# EAGLE board working (EAGLE 9.6.2), part 4 of 28 (continued)
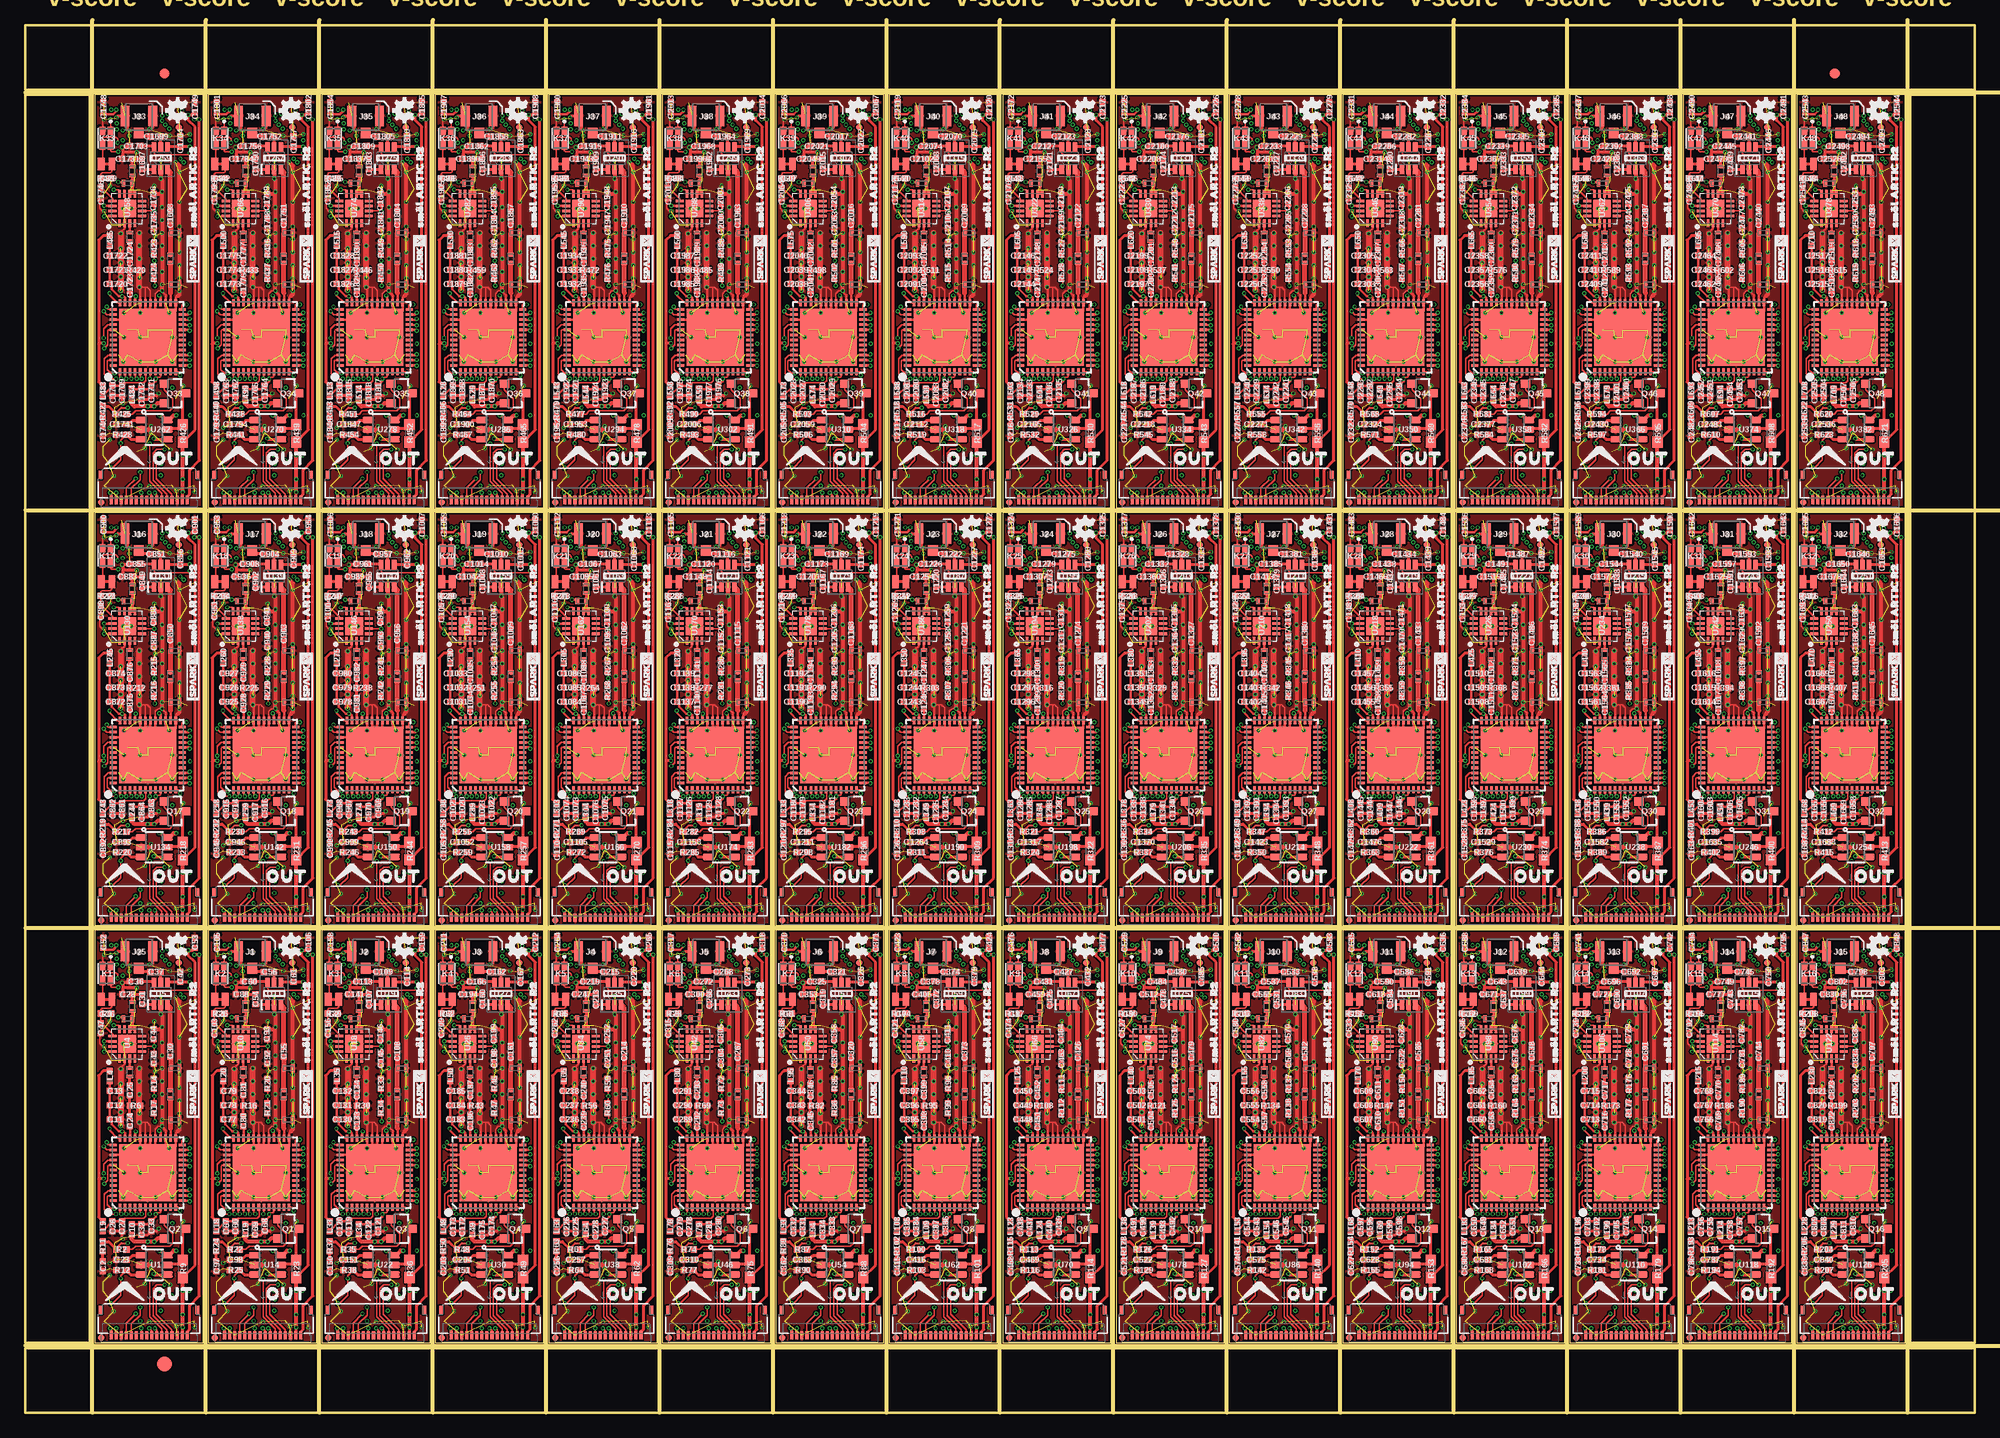
[diagram p0: board, top side]
## Placement (x,y rotation side) (continued)
L6  27nH  [0402_COILCRAFT]  10.1,38.8 0 top
L7  18nH  [0402_COILCRAFT]  10.29,33.53 90 top
L8  12nH  [0402_COILCRAFT]  10.54,40 90 top
L9  30Ω  [0402-TIGHT]  7.62,18.35 90 top
L10  30Ω  [0402-TIGHT]  10.48,18.03 270 top
L11  30nH  [0402_COILCRAFT]  14.73,28.83 180 top
L12  51nH  [0402_COILCRAFT]  14.73,33.91 180 top
L13  30Ω  [0402-TIGHT]  14.41,26.86 0 bottom
L14  30Ω  [0402-TIGHT]  13.08,22.42 270 bottom
L15  30Ω  [0402-TIGHT]  15.49,24.83 270 bottom
L16  30Ω  [0402-TIGHT]  25.59,26.86 0 bottom
L17  30Ω  [0402-TIGHT]  26.67,24.83 270 bottom
L18  30Ω  [0402-TIGHT]  18.8,18.35 90 top
L19  30Ω  [0402-TIGHT]  21.65,18.03 270 top
L20  30Ω  [0402-TIGHT]  19.49,33.15 90 top
L21  30Ω  [0402-TIGHT]  19.81,29.46 90 bottom
L22  30Ω  [0402-TIGHT]  22.23,22.42 270 bottom
L23  18nH  [0402_COILCRAFT]  21.46,33.53 90 top
L24  15nH  [0402_COILCRAFT]  19.68,37.02 270 bottom
L25  27nH  [0402_COILCRAFT]  21.27,38.8 0 top
L26  12nH  [0402_COILCRAFT]  21.72,40 90 top
L27  30nH  [0402_COILCRAFT]  25.91,28.83 180 top
L28  51nH  [0402_COILCRAFT]  25.91,33.91 180 top
L29  30Ω  [0402-TIGHT]  24.26,22.42 270 bottom
L30  30Ω  [0402-TIGHT]  26.42,16.64 0 bottom
L31  30Ω  [0402-TIGHT]  36.77,26.86 0 bottom
L32  30Ω  [0402-TIGHT]  37.85,24.83 270 bottom
L33  30Ω  [0402-TIGHT]  29.97,18.35 90 top
L34  30Ω  [0402-TIGHT]  32.83,18.03 270 top
L35  30Ω  [0402-TIGHT]  30.67,33.15 90 top
L36  30Ω  [0402-TIGHT]  30.99,29.46 90 bottom
L37  30Ω  [0402-TIGHT]  33.4,22.42 270 bottom
L38  18nH  [0402_COILCRAFT]  32.64,33.53 90 top
L39  15nH  [0402_COILCRAFT]  30.86,37.02 270 bottom
L40  27nH  [0402_COILCRAFT]  32.45,38.8 0 top
L41  12nH  [0402_COILCRAFT]  32.89,40 90 top
L42  30nH  [0402_COILCRAFT]  37.08,28.83 180 top
L43  51nH  [0402_COILCRAFT]  37.08,33.91 180 top
L44  30Ω  [0402-TIGHT]  35.43,22.42 270 bottom
L45  30Ω  [0402-TIGHT]  37.59,16.64 0 bottom
L46  30Ω  [0402-TIGHT]  47.94,26.86 0 bottom
L47  30Ω  [0402-TIGHT]  49.02,24.83 270 bottom
L48  30Ω  [0402-TIGHT]  41.15,18.35 90 top
L49  30Ω  [0402-TIGHT]  44.01,18.03 270 top
L50  30Ω  [0402-TIGHT]  41.85,33.15 90 top
L51  30Ω  [0402-TIGHT]  42.16,29.46 90 bottom
L52  30Ω  [0402-TIGHT]  44.58,22.42 270 bottom
L53  18nH  [0402_COILCRAFT]  43.81,33.53 90 top
L54  15nH  [0402_COILCRAFT]  42.04,37.02 270 bottom
L55  27nH  [0402_COILCRAFT]  43.62,38.8 0 top
L56  12nH  [0402_COILCRAFT]  44.07,40 90 top
L57  30nH  [0402_COILCRAFT]  48.26,28.83 180 top
L58  51nH  [0402_COILCRAFT]  48.26,33.91 180 top
L59  30Ω  [0402-TIGHT]  46.61,22.42 270 bottom
L60  30Ω  [0402-TIGHT]  48.77,16.64 0 bottom
L61  30Ω  [0402-TIGHT]  59.12,26.86 0 bottom
L62  30Ω  [0402-TIGHT]  60.2,24.83 270 bottom
L63  30Ω  [0402-TIGHT]  52.32,18.35 90 top
L64  30Ω  [0402-TIGHT]  55.18,18.03 270 top
L65  30Ω  [0402-TIGHT]  53.02,33.15 90 top
L66  30Ω  [0402-TIGHT]  53.34,29.46 90 bottom
L67  30Ω  [0402-TIGHT]  55.75,22.42 270 bottom
L68  18nH  [0402_COILCRAFT]  54.99,33.53 90 top
L69  15nH  [0402_COILCRAFT]  53.21,37.02 270 bottom
L70  27nH  [0402_COILCRAFT]  54.8,38.8 0 top
L71  12nH  [0402_COILCRAFT]  55.24,40 90 top
L72  30nH  [0402_COILCRAFT]  59.44,28.83 180 top
L73  51nH  [0402_COILCRAFT]  59.44,33.91 180 top
L74  30Ω  [0402-TIGHT]  57.78,22.42 270 bottom
L75  30Ω  [0402-TIGHT]  59.94,16.64 0 bottom
L76  30Ω  [0402-TIGHT]  70.29,26.86 0 bottom
L77  30Ω  [0402-TIGHT]  71.37,24.83 270 bottom
L78  30Ω  [0402-TIGHT]  63.5,18.35 90 top
L79  30Ω  [0402-TIGHT]  66.36,18.03 270 top
L80  30Ω  [0402-TIGHT]  64.2,33.15 90 top
L81  30Ω  [0402-TIGHT]  64.52,29.46 90 bottom
L82  30Ω  [0402-TIGHT]  66.93,22.42 270 bottom
L83  18nH  [0402_COILCRAFT]  66.17,33.53 90 top
L84  15nH  [0402_COILCRAFT]  64.39,37.02 270 bottom
L85  27nH  [0402_COILCRAFT]  65.98,38.8 0 top
L86  12nH  [0402_COILCRAFT]  66.42,40 90 top
L87  30nH  [0402_COILCRAFT]  70.61,28.83 180 top
L88  51nH  [0402_COILCRAFT]  70.61,33.91 180 top
L89  30Ω  [0402-TIGHT]  68.96,22.42 270 bottom
L90  30Ω  [0402-TIGHT]  71.12,16.64 0 bottom
L91  30Ω  [0402-TIGHT]  81.47,26.86 0 bottom
L92  30Ω  [0402-TIGHT]  82.55,24.83 270 bottom
L93  30Ω  [0402-TIGHT]  74.68,18.35 90 top
L94  30Ω  [0402-TIGHT]  77.53,18.03 270 top
L95  30Ω  [0402-TIGHT]  75.37,33.15 90 top
L96  30Ω  [0402-TIGHT]  75.69,29.46 90 bottom
L97  30Ω  [0402-TIGHT]  78.11,22.42 270 bottom
L98  18nH  [0402_COILCRAFT]  77.34,33.53 90 top
L99  15nH  [0402_COILCRAFT]  75.56,37.02 270 bottom
L100  27nH  [0402_COILCRAFT]  77.15,38.8 0 top
L101  12nH  [0402_COILCRAFT]  77.6,40 90 top
L102  30nH  [0402_COILCRAFT]  81.79,28.83 180 top
L103  51nH  [0402_COILCRAFT]  81.79,33.91 180 top
L104  30Ω  [0402-TIGHT]  80.14,22.42 270 bottom
L105  30Ω  [0402-TIGHT]  82.3,16.64 0 bottom
L106  30Ω  [0402-TIGHT]  92.65,26.86 0 bottom
L107  30Ω  [0402-TIGHT]  93.73,24.83 270 bottom
L108  30Ω  [0402-TIGHT]  85.85,18.35 90 top
L109  30Ω  [0402-TIGHT]  88.71,18.03 270 top
L110  30Ω  [0402-TIGHT]  86.55,33.15 90 top
L111  30Ω  [0402-TIGHT]  86.87,29.46 90 bottom
L112  30Ω  [0402-TIGHT]  89.28,22.42 270 bottom
L113  18nH  [0402_COILCRAFT]  88.52,33.53 90 top
L114  15nH  [0402_COILCRAFT]  86.74,37.02 270 bottom
L115  27nH  [0402_COILCRAFT]  88.33,38.8 0 top
L116  12nH  [0402_COILCRAFT]  88.77,40 90 top
L117  30nH  [0402_COILCRAFT]  92.96,28.83 180 top
L118  51nH  [0402_COILCRAFT]  92.96,33.91 180 top
L119  30Ω  [0402-TIGHT]  91.31,22.42 270 bottom
L120  30Ω  [0402-TIGHT]  93.47,16.64 0 bottom
L121  30Ω  [0402-TIGHT]  103.82,26.86 0 bottom
L122  30Ω  [0402-TIGHT]  104.9,24.83 270 bottom
L123  30Ω  [0402-TIGHT]  97.03,18.35 90 top
L124  30Ω  [0402-TIGHT]  99.89,18.03 270 top
L125  30Ω  [0402-TIGHT]  97.73,33.15 90 top
L126  30Ω  [0402-TIGHT]  98.04,29.46 90 bottom
L127  30Ω  [0402-TIGHT]  100.46,22.42 270 bottom
L128  18nH  [0402_COILCRAFT]  99.7,33.53 90 top
L129  15nH  [0402_COILCRAFT]  97.92,37.02 270 bottom
L130  27nH  [0402_COILCRAFT]  99.5,38.8 0 top
L131  12nH  [0402_COILCRAFT]  99.95,40 90 top
L132  30nH  [0402_COILCRAFT]  104.14,28.83 180 top
L133  51nH  [0402_COILCRAFT]  104.14,33.91 180 top
L134  30Ω  [0402-TIGHT]  102.49,22.42 270 bottom
L135  30Ω  [0402-TIGHT]  104.65,16.64 0 bottom
L136  30Ω  [0402-TIGHT]  115,26.86 0 bottom
L137  30Ω  [0402-TIGHT]  116.08,24.83 270 bottom
L138  30Ω  [0402-TIGHT]  108.2,18.35 90 top
L139  30Ω  [0402-TIGHT]  111.06,18.03 270 top
L140  30Ω  [0402-TIGHT]  108.9,33.15 90 top
L141  30Ω  [0402-TIGHT]  109.22,29.46 90 bottom
L142  30Ω  [0402-TIGHT]  111.63,22.42 270 bottom
L143  18nH  [0402_COILCRAFT]  110.87,33.53 90 top
L144  15nH  [0402_COILCRAFT]  109.09,37.02 270 bottom
L145  27nH  [0402_COILCRAFT]  110.68,38.8 0 top
L146  12nH  [0402_COILCRAFT]  111.12,40 90 top
L147  30nH  [0402_COILCRAFT]  115.32,28.83 180 top
L148  51nH  [0402_COILCRAFT]  115.32,33.91 180 top
L149  30Ω  [0402-TIGHT]  113.67,22.42 270 bottom
L150  30Ω  [0402-TIGHT]  115.82,16.64 0 bottom
L151  30Ω  [0402-TIGHT]  126.17,26.86 0 bottom
L152  30Ω  [0402-TIGHT]  127.25,24.83 270 bottom
L153  30Ω  [0402-TIGHT]  119.38,18.35 90 top
L154  30Ω  [0402-TIGHT]  122.24,18.03 270 top
L155  30Ω  [0402-TIGHT]  120.08,33.15 90 top
L156  30Ω  [0402-TIGHT]  120.4,29.46 90 bottom
L157  30Ω  [0402-TIGHT]  122.81,22.42 270 bottom
L158  18nH  [0402_COILCRAFT]  122.05,33.53 90 top
L159  15nH  [0402_COILCRAFT]  120.27,37.02 270 bottom
L160  27nH  [0402_COILCRAFT]  121.86,38.8 0 top
L161  12nH  [0402_COILCRAFT]  122.3,40 90 top
L162  30nH  [0402_COILCRAFT]  126.49,28.83 180 top
L163  51nH  [0402_COILCRAFT]  126.49,33.91 180 top
L164  30Ω  [0402-TIGHT]  124.84,22.42 270 bottom
L165  30Ω  [0402-TIGHT]  127,16.64 0 bottom
L166  30Ω  [0402-TIGHT]  137.35,26.86 0 bottom
L167  30Ω  [0402-TIGHT]  138.43,24.83 270 bottom
L168  30Ω  [0402-TIGHT]  130.56,18.35 90 top
L169  30Ω  [0402-TIGHT]  133.41,18.03 270 top
L170  30Ω  [0402-TIGHT]  131.25,33.15 90 top
L171  30Ω  [0402-TIGHT]  131.57,29.46 90 bottom
L172  30Ω  [0402-TIGHT]  133.98,22.42 270 bottom
L173  18nH  [0402_COILCRAFT]  133.22,33.53 90 top
L174  15nH  [0402_COILCRAFT]  131.44,37.02 270 bottom
L175  27nH  [0402_COILCRAFT]  133.03,38.8 0 top
L176  12nH  [0402_COILCRAFT]  133.48,40 90 top
L177  30nH  [0402_COILCRAFT]  137.67,28.83 180 top
L178  51nH  [0402_COILCRAFT]  137.67,33.91 180 top
L179  30Ω  [0402-TIGHT]  136.02,22.42 270 bottom
L180  30Ω  [0402-TIGHT]  138.18,16.64 0 bottom
L181  30Ω  [0402-TIGHT]  148.53,26.86 0 bottom
L182  30Ω  [0402-TIGHT]  149.61,24.83 270 bottom
L183  30Ω  [0402-TIGHT]  141.73,18.35 90 top
L184  30Ω  [0402-TIGHT]  144.59,18.03 270 top
L185  30Ω  [0402-TIGHT]  142.43,33.15 90 top
L186  30Ω  [0402-TIGHT]  142.75,29.46 90 bottom
L187  30Ω  [0402-TIGHT]  145.16,22.42 270 bottom
L188  18nH  [0402_COILCRAFT]  144.4,33.53 90 top
L189  15nH  [0402_COILCRAFT]  142.62,37.02 270 bottom
L190  27nH  [0402_COILCRAFT]  144.21,38.8 0 top
L191  12nH  [0402_COILCRAFT]  144.65,40 90 top
L192  30nH  [0402_COILCRAFT]  148.84,28.83 180 top
L193  51nH  [0402_COILCRAFT]  148.84,33.91 180 top
L194  30Ω  [0402-TIGHT]  147.19,22.42 270 bottom
L195  30Ω  [0402-TIGHT]  149.35,16.64 0 bottom
L196  30Ω  [0402-TIGHT]  159.7,26.86 0 bottom
L197  30Ω  [0402-TIGHT]  160.78,24.83 270 bottom
L198  30Ω  [0402-TIGHT]  152.91,18.35 90 top
L199  30Ω  [0402-TIGHT]  155.77,18.03 270 top
L200  30Ω  [0402-TIGHT]  153.61,33.15 90 top
L201  30Ω  [0402-TIGHT]  153.92,29.46 90 bottom
L202  30Ω  [0402-TIGHT]  156.34,22.42 270 bottom
L203  18nH  [0402_COILCRAFT]  155.58,33.53 90 top
L204  15nH  [0402_COILCRAFT]  153.8,37.02 270 bottom
L205  27nH  [0402_COILCRAFT]  155.38,38.8 0 top
L206  12nH  [0402_COILCRAFT]  155.83,40 90 top
L207  30nH  [0402_COILCRAFT]  160.02,28.83 180 top
L208  51nH  [0402_COILCRAFT]  160.02,33.91 180 top
L209  30Ω  [0402-TIGHT]  158.37,22.42 270 bottom
L210  30Ω  [0402-TIGHT]  160.53,16.64 0 bottom
L211  30Ω  [0402-TIGHT]  170.88,26.86 0 bottom
L212  30Ω  [0402-TIGHT]  171.96,24.83 270 bottom
L213  30Ω  [0402-TIGHT]  164.08,18.35 90 top
L214  30Ω  [0402-TIGHT]  166.94,18.03 270 top
L215  30Ω  [0402-TIGHT]  164.78,33.15 90 top
L216  30Ω  [0402-TIGHT]  165.1,29.46 90 bottom
L217  30Ω  [0402-TIGHT]  167.51,22.42 270 bottom
L218  18nH  [0402_COILCRAFT]  166.75,33.53 90 top
L219  15nH  [0402_COILCRAFT]  164.97,37.02 270 bottom
L220  27nH  [0402_COILCRAFT]  166.56,38.8 0 top
L221  12nH  [0402_COILCRAFT]  167,40 90 top
L222  30nH  [0402_COILCRAFT]  171.2,28.83 180 top
L223  51nH  [0402_COILCRAFT]  171.2,33.91 180 top
L224  30Ω  [0402-TIGHT]  169.55,22.42 270 bottom
L225  30Ω  [0402-TIGHT]  171.7,16.64 0 bottom
L226  30Ω  [0402-TIGHT]  182.05,26.86 0 bottom
L227  30Ω  [0402-TIGHT]  183.13,24.83 270 bottom
L228  30Ω  [0402-TIGHT]  175.26,18.35 90 top
L229  30Ω  [0402-TIGHT]  178.12,18.03 270 top
L230  30Ω  [0402-TIGHT]  175.96,33.15 90 top
L231  30Ω  [0402-TIGHT]  176.28,29.46 90 bottom
L232  30Ω  [0402-TIGHT]  178.69,22.42 270 bottom
L233  18nH  [0402_COILCRAFT]  177.93,33.53 90 top
L234  15nH  [0402_COILCRAFT]  176.15,37.02 270 bottom
L235  27nH  [0402_COILCRAFT]  177.74,38.8 0 top
L236  12nH  [0402_COILCRAFT]  178.18,40 90 top
L237  30nH  [0402_COILCRAFT]  182.37,28.83 180 top
L238  51nH  [0402_COILCRAFT]  182.37,33.91 180 top
L239  30Ω  [0402-TIGHT]  180.72,22.42 270 bottom
L240  30Ω  [0402-TIGHT]  182.88,16.64 0 bottom
L241  30Ω  [0402-TIGHT]  14.41,68.01 0 bottom
L242  30Ω  [0402-TIGHT]  15.49,65.98 270 bottom
L243  30Ω  [0402-TIGHT]  7.62,59.5 90 top
L244  30Ω  [0402-TIGHT]  10.48,59.18 270 top
L245  30Ω  [0402-TIGHT]  8.32,74.3 90 top
L246  30Ω  [0402-TIGHT]  8.64,70.61 90 bottom
L247  30Ω  [0402-TIGHT]  11.05,63.56 270 bottom
L248  18nH  [0402_COILCRAFT]  10.29,74.68 90 top
L249  15nH  [0402_COILCRAFT]  8.51,78.17 270 bottom
L250  27nH  [0402_COILCRAFT]  10.1,79.95 0 top
L251  12nH  [0402_COILCRAFT]  10.54,81.15 90 top
L252  30nH  [0402_COILCRAFT]  14.73,69.98 180 top
L253  51nH  [0402_COILCRAFT]  14.73,75.06 180 top
L254  30Ω  [0402-TIGHT]  13.08,63.56 270 bottom
L255  30Ω  [0402-TIGHT]  15.24,57.78 0 bottom
L256  30Ω  [0402-TIGHT]  25.59,68.01 0 bottom
L257  30Ω  [0402-TIGHT]  26.67,65.98 270 bottom
L258  30Ω  [0402-TIGHT]  18.8,59.5 90 top
L259  30Ω  [0402-TIGHT]  21.65,59.18 270 top
L260  30Ω  [0402-TIGHT]  19.49,74.3 90 top
L261  30Ω  [0402-TIGHT]  19.81,70.61 90 bottom
L262  30Ω  [0402-TIGHT]  22.23,63.56 270 bottom
L263  18nH  [0402_COILCRAFT]  21.46,74.68 90 top
L264  15nH  [0402_COILCRAFT]  19.68,78.17 270 bottom
L265  27nH  [0402_COILCRAFT]  21.27,79.95 0 top
L266  12nH  [0402_COILCRAFT]  21.72,81.15 90 top
L267  30nH  [0402_COILCRAFT]  25.91,69.98 180 top
L268  51nH  [0402_COILCRAFT]  25.91,75.06 180 top
L269  30Ω  [0402-TIGHT]  24.26,63.56 270 bottom
L270  30Ω  [0402-TIGHT]  26.42,57.78 0 bottom
L271  30Ω  [0402-TIGHT]  36.77,68.01 0 bottom
L272  30Ω  [0402-TIGHT]  37.85,65.98 270 bottom
L273  30Ω  [0402-TIGHT]  29.97,59.5 90 top
L274  30Ω  [0402-TIGHT]  32.83,59.18 270 top
L275  30Ω  [0402-TIGHT]  30.67,74.3 90 top
L276  30Ω  [0402-TIGHT]  30.99,70.61 90 bottom
L277  30Ω  [0402-TIGHT]  33.4,63.56 270 bottom
L278  18nH  [0402_COILCRAFT]  32.64,74.68 90 top
L279  15nH  [0402_COILCRAFT]  30.86,78.17 270 bottom
L280  27nH  [0402_COILCRAFT]  32.45,79.95 0 top
L281  12nH  [0402_COILCRAFT]  32.89,81.15 90 top
L282  30nH  [0402_COILCRAFT]  37.08,69.98 180 top
L283  51nH  [0402_COILCRAFT]  37.08,75.06 180 top
L284  30Ω  [0402-TIGHT]  35.43,63.56 270 bottom
L285  30Ω  [0402-TIGHT]  37.59,57.78 0 bottom
L286  30Ω  [0402-TIGHT]  47.94,68.01 0 bottom
L287  30Ω  [0402-TIGHT]  49.02,65.98 270 bottom
L288  30Ω  [0402-TIGHT]  41.15,59.5 90 top
L289  30Ω  [0402-TIGHT]  44.01,59.18 270 top
L290  30Ω  [0402-TIGHT]  41.85,74.3 90 top
L291  30Ω  [0402-TIGHT]  42.16,70.61 90 bottom
L292  30Ω  [0402-TIGHT]  44.58,63.56 270 bottom
L293  18nH  [0402_COILCRAFT]  43.81,74.68 90 top
L294  15nH  [0402_COILCRAFT]  42.04,78.17 270 bottom
L295  27nH  [0402_COILCRAFT]  43.62,79.95 0 top
L296  12nH  [0402_COILCRAFT]  44.07,81.15 90 top
L297  30nH  [0402_COILCRAFT]  48.26,69.98 180 top
L298  51nH  [0402_COILCRAFT]  48.26,75.06 180 top
L299  30Ω  [0402-TIGHT]  46.61,63.56 270 bottom
L300  30Ω  [0402-TIGHT]  48.77,57.78 0 bottom
L301  30Ω  [0402-TIGHT]  59.12,68.01 0 bottom
L302  30Ω  [0402-TIGHT]  60.2,65.98 270 bottom
L303  30Ω  [0402-TIGHT]  52.32,59.5 90 top
L304  30Ω  [0402-TIGHT]  55.18,59.18 270 top
L305  30Ω  [0402-TIGHT]  53.02,74.3 90 top
L306  30Ω  [0402-TIGHT]  53.34,70.61 90 bottom
L307  30Ω  [0402-TIGHT]  55.75,63.56 270 bottom
L308  18nH  [0402_COILCRAFT]  54.99,74.68 90 top
L309  15nH  [0402_COILCRAFT]  53.21,78.17 270 bottom
L310  27nH  [0402_COILCRAFT]  54.8,79.95 0 top
L311  12nH  [0402_COILCRAFT]  55.24,81.15 90 top
L312  30nH  [0402_COILCRAFT]  59.44,69.98 180 top
L313  51nH  [0402_COILCRAFT]  59.44,75.06 180 top
L314  30Ω  [0402-TIGHT]  57.78,63.56 270 bottom
L315  30Ω  [0402-TIGHT]  59.94,57.78 0 bottom
L316  30Ω  [0402-TIGHT]  70.29,68.01 0 bottom
L317  30Ω  [0402-TIGHT]  71.37,65.98 270 bottom
L318  30Ω  [0402-TIGHT]  63.5,59.5 90 top
L319  30Ω  [0402-TIGHT]  66.36,59.18 270 top
L320  30Ω  [0402-TIGHT]  64.2,74.3 90 top
L321  30Ω  [0402-TIGHT]  64.52,70.61 90 bottom
L322  30Ω  [0402-TIGHT]  66.93,63.56 270 bottom
L323  18nH  [0402_COILCRAFT]  66.17,74.68 90 top
L324  15nH  [0402_COILCRAFT]  64.39,78.17 270 bottom
L325  27nH  [0402_COILCRAFT]  65.98,79.95 0 top
L326  12nH  [0402_COILCRAFT]  66.42,81.15 90 top
L327  30nH  [0402_COILCRAFT]  70.61,69.98 180 top
L328  51nH  [0402_COILCRAFT]  70.61,75.06 180 top
L329  30Ω  [0402-TIGHT]  68.96,63.56 270 bottom
L330  30Ω  [0402-TIGHT]  71.12,57.78 0 bottom
L331  30Ω  [0402-TIGHT]  81.47,68.01 0 bottom
L332  30Ω  [0402-TIGHT]  82.55,65.98 270 bottom
L333  30Ω  [0402-TIGHT]  74.68,59.5 90 top
L334  30Ω  [0402-TIGHT]  77.53,59.18 270 top
L335  30Ω  [0402-TIGHT]  75.37,74.3 90 top
L336  30Ω  [0402-TIGHT]  75.69,70.61 90 bottom
L337  30Ω  [0402-TIGHT]  78.11,63.56 270 bottom
L338  18nH  [0402_COILCRAFT]  77.34,74.68 90 top
L339  15nH  [0402_COILCRAFT]  75.56,78.17 270 bottom
L340  27nH  [0402_COILCRAFT]  77.15,79.95 0 top
L341  12nH  [0402_COILCRAFT]  77.6,81.15 90 top
L342  30nH  [0402_COILCRAFT]  81.79,69.98 180 top
L343  51nH  [0402_COILCRAFT]  81.79,75.06 180 top
L344  30Ω  [0402-TIGHT]  80.14,63.56 270 bottom
L345  30Ω  [0402-TIGHT]  82.3,57.78 0 bottom
L346  30Ω  [0402-TIGHT]  92.65,68.01 0 bottom
L347  30Ω  [0402-TIGHT]  93.73,65.98 270 bottom
L348  30Ω  [0402-TIGHT]  85.85,59.5 90 top
L349  30Ω  [0402-TIGHT]  88.71,59.18 270 top
L350  30Ω  [0402-TIGHT]  86.55,74.3 90 top
L351  30Ω  [0402-TIGHT]  86.87,70.61 90 bottom
L352  30Ω  [0402-TIGHT]  89.28,63.56 270 bottom
L353  18nH  [0402_COILCRAFT]  88.52,74.68 90 top
L354  15nH  [0402_COILCRAFT]  86.74,78.17 270 bottom
L355  27nH  [0402_COILCRAFT]  88.33,79.95 0 top
L356  12nH  [0402_COILCRAFT]  88.77,81.15 90 top
L357  30nH  [0402_COILCRAFT]  92.96,69.98 180 top
L358  51nH  [0402_COILCRAFT]  92.96,75.06 180 top
L359  30Ω  [0402-TIGHT]  91.31,63.56 270 bottom
L360  30Ω  [0402-TIGHT]  93.47,57.78 0 bottom
L361  30Ω  [0402-TIGHT]  103.82,68.01 0 bottom
L362  30Ω  [0402-TIGHT]  104.9,65.98 270 bottom
L363  30Ω  [0402-TIGHT]  97.03,59.5 90 top
L364  30Ω  [0402-TIGHT]  99.89,59.18 270 top
L365  30Ω  [0402-TIGHT]  97.73,74.3 90 top
L366  30Ω  [0402-TIGHT]  98.04,70.61 90 bottom
L367  30Ω  [0402-TIGHT]  100.46,63.56 270 bottom
L368  18nH  [0402_COILCRAFT]  99.7,74.68 90 top
L369  15nH  [0402_COILCRAFT]  97.92,78.17 270 bottom
L370  27nH  [0402_COILCRAFT]  99.5,79.95 0 top
L371  12nH  [0402_COILCRAFT]  99.95,81.15 90 top
L372  30nH  [0402_COILCRAFT]  104.14,69.98 180 top
L373  51nH  [0402_COILCRAFT]  104.14,75.06 180 top
L374  30Ω  [0402-TIGHT]  102.49,63.56 270 bottom
L375  30Ω  [0402-TIGHT]  104.65,57.78 0 bottom
L376  30Ω  [0402-TIGHT]  115,68.01 0 bottom
L377  30Ω  [0402-TIGHT]  116.08,65.98 270 bottom
L378  30Ω  [0402-TIGHT]  108.2,59.5 90 top
L379  30Ω  [0402-TIGHT]  111.06,59.18 270 top
L380  30Ω  [0402-TIGHT]  108.9,74.3 90 top
L381  30Ω  [0402-TIGHT]  109.22,70.61 90 bottom
L382  30Ω  [0402-TIGHT]  111.63,63.56 270 bottom
L383  18nH  [0402_COILCRAFT]  110.87,74.68 90 top
L384  15nH  [0402_COILCRAFT]  109.09,78.17 270 bottom
L385  27nH  [0402_COILCRAFT]  110.68,79.95 0 top
L386  12nH  [0402_COILCRAFT]  111.12,81.15 90 top
L387  30nH  [0402_COILCRAFT]  115.32,69.98 180 top
L388  51nH  [0402_COILCRAFT]  115.32,75.06 180 top
L389  30Ω  [0402-TIGHT]  113.67,63.56 270 bottom
L390  30Ω  [0402-TIGHT]  115.82,57.78 0 bottom
L391  30Ω  [0402-TIGHT]  126.17,68.01 0 bottom
L392  30Ω  [0402-TIGHT]  127.25,65.98 270 bottom
L393  30Ω  [0402-TIGHT]  119.38,59.5 90 top
L394  30Ω  [0402-TIGHT]  122.24,59.18 270 top
L395  30Ω  [0402-TIGHT]  120.08,74.3 90 top
L396  30Ω  [0402-TIGHT]  120.4,70.61 90 bottom
L397  30Ω  [0402-TIGHT]  122.81,63.56 270 bottom
L398  18nH  [0402_COILCRAFT]  122.05,74.68 90 top
L399  15nH  [0402_COILCRAFT]  120.27,78.17 270 bottom
L400  27nH  [0402_COILCRAFT]  121.86,79.95 0 top
L401  12nH  [0402_COILCRAFT]  122.3,81.15 90 top
L402  30nH  [0402_COILCRAFT]  126.49,69.98 180 top
L403  51nH  [0402_COILCRAFT]  126.49,75.06 180 top
L404  30Ω  [0402-TIGHT]  124.84,63.56 270 bottom
L405  30Ω  [0402-TIGHT]  127,57.78 0 bottom
L406  30Ω  [0402-TIGHT]  137.35,68.01 0 bottom
L407  30Ω  [0402-TIGHT]  138.43,65.98 270 bottom
L408  30Ω  [0402-TIGHT]  130.56,59.5 90 top
L409  30Ω  [0402-TIGHT]  133.41,59.18 270 top
L410  30Ω  [0402-TIGHT]  131.25,74.3 90 top
L411  30Ω  [0402-TIGHT]  131.57,70.61 90 bottom
L412  30Ω  [0402-TIGHT]  133.98,63.56 270 bottom
L413  18nH  [0402_COILCRAFT]  133.22,74.68 90 top
L414  15nH  [0402_COILCRAFT]  131.44,78.17 270 bottom
L415  27nH  [0402_COILCRAFT]  133.03,79.95 0 top
L416  12nH  [0402_COILCRAFT]  133.48,81.15 90 top
L417  30nH  [0402_COILCRAFT]  137.67,69.98 180 top
L418  51nH  [0402_COILCRAFT]  137.67,75.06 180 top
L419  30Ω  [0402-TIGHT]  136.02,63.56 270 bottom
L420  30Ω  [0402-TIGHT]  138.18,57.78 0 bottom
L421  30Ω  [0402-TIGHT]  148.53,68.01 0 bottom
L422  30Ω  [0402-TIGHT]  149.61,65.98 270 bottom
L423  30Ω  [0402-TIGHT]  141.73,59.5 90 top
L424  30Ω  [0402-TIGHT]  144.59,59.18 270 top
L425  30Ω  [0402-TIGHT]  142.43,74.3 90 top
L426  30Ω  [0402-TIGHT]  142.75,70.61 90 bottom
L427  30Ω  [0402-TIGHT]  145.16,63.56 270 bottom
L428  18nH  [0402_COILCRAFT]  144.4,74.68 90 top
L429  15nH  [0402_COILCRAFT]  142.62,78.17 270 bottom
L430  27nH  [0402_COILCRAFT]  144.21,79.95 0 top
L431  12nH  [0402_COILCRAFT]  144.65,81.15 90 top
L432  30nH  [0402_COILCRAFT]  148.84,69.98 180 top
L433  51nH  [0402_COILCRAFT]  148.84,75.06 180 top
L434  30Ω  [0402-TIGHT]  147.19,63.56 270 bottom
L435  30Ω  [0402-TIGHT]  149.35,57.78 0 bottom
L436  30Ω  [0402-TIGHT]  159.7,68.01 0 bottom
L437  30Ω  [0402-TIGHT]  160.78,65.98 270 bottom
L438  30Ω  [0402-TIGHT]  152.91,59.5 90 top
L439  30Ω  [0402-TIGHT]  155.77,59.18 270 top
L440  30Ω  [0402-TIGHT]  153.61,74.3 90 top
L441  30Ω  [0402-TIGHT]  153.92,70.61 90 bottom
L442  30Ω  [0402-TIGHT]  156.34,63.56 270 bottom
L443  18nH  [0402_COILCRAFT]  155.58,74.68 90 top
L444  15nH  [0402_COILCRAFT]  153.8,78.17 270 bottom
L445  27nH  [0402_COILCRAFT]  155.38,79.95 0 top
L446  12nH  [0402_COILCRAFT]  155.83,81.15 90 top
L447  30nH  [0402_COILCRAFT]  160.02,69.98 180 top
L448  51nH  [0402_COILCRAFT]  160.02,75.06 180 top
L449  30Ω  [0402-TIGHT]  158.37,63.56 270 bottom
L450  30Ω  [0402-TIGHT]  160.53,57.78 0 bottom
L451  30Ω  [0402-TIGHT]  170.88,68.01 0 bottom
L452  30Ω  [0402-TIGHT]  171.96,65.98 270 bottom
L453  30Ω  [0402-TIGHT]  164.08,59.5 90 top
L454  30Ω  [0402-TIGHT]  166.94,59.18 270 top
L455  30Ω  [0402-TIGHT]  164.78,74.3 90 top
L456  30Ω  [0402-TIGHT]  165.1,70.61 90 bottom
L457  30Ω  [0402-TIGHT]  167.51,63.56 270 bottom
L458  18nH  [0402_COILCRAFT]  166.75,74.68 90 top
L459  15nH  [0402_COILCRAFT]  164.97,78.17 270 bottom
L460  27nH  [0402_COILCRAFT]  166.56,79.95 0 top
L461  12nH  [0402_COILCRAFT]  167,81.15 90 top
L462  30nH  [0402_COILCRAFT]  171.2,69.98 180 top
L463  51nH  [0402_COILCRAFT]  171.2,75.06 180 top
L464  30Ω  [0402-TIGHT]  169.55,63.56 270 bottom
L465  30Ω  [0402-TIGHT]  171.7,57.78 0 bottom
L466  30Ω  [0402-TIGHT]  182.05,68.01 0 bottom
L467  30Ω  [0402-TIGHT]  183.13,65.98 270 bottom
L468  30Ω  [0402-TIGHT]  175.26,59.5 90 top
L469  30Ω  [0402-TIGHT]  178.12,59.18 270 top
L470  30Ω  [0402-TIGHT]  175.96,74.3 90 top
L471  30Ω  [0402-TIGHT]  176.28,70.61 90 bottom
L472  30Ω  [0402-TIGHT]  178.69,63.56 270 bottom
L473  18nH  [0402_COILCRAFT]  177.93,74.68 90 top
L474  15nH  [0402_COILCRAFT]  176.15,78.17 270 bottom
L475  27nH  [0402_COILCRAFT]  177.74,79.95 0 top
L476  12nH  [0402_COILCRAFT]  178.18,81.15 90 top
L477  30nH  [0402_COILCRAFT]  182.37,69.98 180 top
L478  51nH  [0402_COILCRAFT]  182.37,75.06 180 top
L479  30Ω  [0402-TIGHT]  180.72,63.56 270 bottom
L480  30Ω  [0402-TIGHT]  182.88,57.78 0 bottom
L481  30Ω  [0402-TIGHT]  14.41,109.16 0 bottom
L482  30Ω  [0402-TIGHT]  15.49,107.12 270 bottom
L483  30Ω  [0402-TIGHT]  7.62,100.65 90 top
L484  30Ω  [0402-TIGHT]  10.48,100.33 270 top
L485  30Ω  [0402-TIGHT]  8.32,115.44 90 top
L486  30Ω  [0402-TIGHT]  8.64,111.76 90 bottom
L487  30Ω  [0402-TIGHT]  11.05,104.71 270 bottom
L488  18nH  [0402_COILCRAFT]  10.29,115.82 90 top
L489  15nH  [0402_COILCRAFT]  8.51,119.32 270 bottom
L490  27nH  [0402_COILCRAFT]  10.1,121.09 0 top
L491  12nH  [0402_COILCRAFT]  10.54,122.3 90 top
L492  30nH  [0402_COILCRAFT]  14.73,111.12 180 top
L493  51nH  [0402_COILCRAFT]  14.73,116.2 180 top
L494  30Ω  [0402-TIGHT]  13.08,104.71 270 bottom
L495  30Ω  [0402-TIGHT]  15.24,98.93 0 bottom
L496  30Ω  [0402-TIGHT]  25.59,109.16 0 bottom
L497  30Ω  [0402-TIGHT]  26.67,107.12 270 bottom
L498  30Ω  [0402-TIGHT]  18.8,100.65 90 top
L499  30Ω  [0402-TIGHT]  21.65,100.33 270 top
L500  30Ω  [0402-TIGHT]  19.49,115.44 90 top
L501  30Ω  [0402-TIGHT]  19.81,111.76 90 bottom
L502  30Ω  [0402-TIGHT]  22.23,104.71 270 bottom
L503  18nH  [0402_COILCRAFT]  21.46,115.82 90 top
L504  15nH  [0402_COILCRAFT]  19.68,119.32 270 bottom
L505  27nH  [0402_COILCRAFT]  21.27,121.09 0 top
L506  12nH  [0402_COILCRAFT]  21.72,122.3 90 top
L507  30nH  [0402_COILCRAFT]  25.91,111.12 180 top
L508  51nH  [0402_COILCRAFT]  25.91,116.2 180 top
L509  30Ω  [0402-TIGHT]  24.26,104.71 270 bottom
L510  30Ω  [0402-TIGHT]  26.42,98.93 0 bottom
L511  30Ω  [0402-TIGHT]  36.77,109.16 0 bottom
L512  30Ω  [0402-TIGHT]  37.85,107.12 270 bottom
L513  30Ω  [0402-TIGHT]  29.97,100.65 90 top
L514  30Ω  [0402-TIGHT]  32.83,100.33 270 top
L515  30Ω  [0402-TIGHT]  30.67,115.44 90 top
L516  30Ω  [0402-TIGHT]  30.99,111.76 90 bottom
L517  30Ω  [0402-TIGHT]  33.4,104.71 270 bottom
L518  18nH  [0402_COILCRAFT]  32.64,115.82 90 top
L519  15nH  [0402_COILCRAFT]  30.86,119.32 270 bottom
L520  27nH  [0402_COILCRAFT]  32.45,121.09 0 top
L521  12nH  [0402_COILCRAFT]  32.89,122.3 90 top
L522  30nH  [0402_COILCRAFT]  37.08,111.12 180 top
L523  51nH  [0402_COILCRAFT]  37.08,116.2 180 top
L524  30Ω  [0402-TIGHT]  35.43,104.71 270 bottom
L525  30Ω  [0402-TIGHT]  37.59,98.93 0 bottom
L526  30Ω  [0402-TIGHT]  47.94,109.16 0 bottom
L527  30Ω  [0402-TIGHT]  49.02,107.12 270 bottom